# Altium PCB eink3.pcbdoc
Units mil, origin at the board's own origin, x right, y up, seen from the top; angles counter-clockwise.
Board outline 3229.28 x 1206.88 mil, 2 copper layers (Top Layer, Bottom Layer); 83 components, 53 nets, 325 pads, 287 vias.
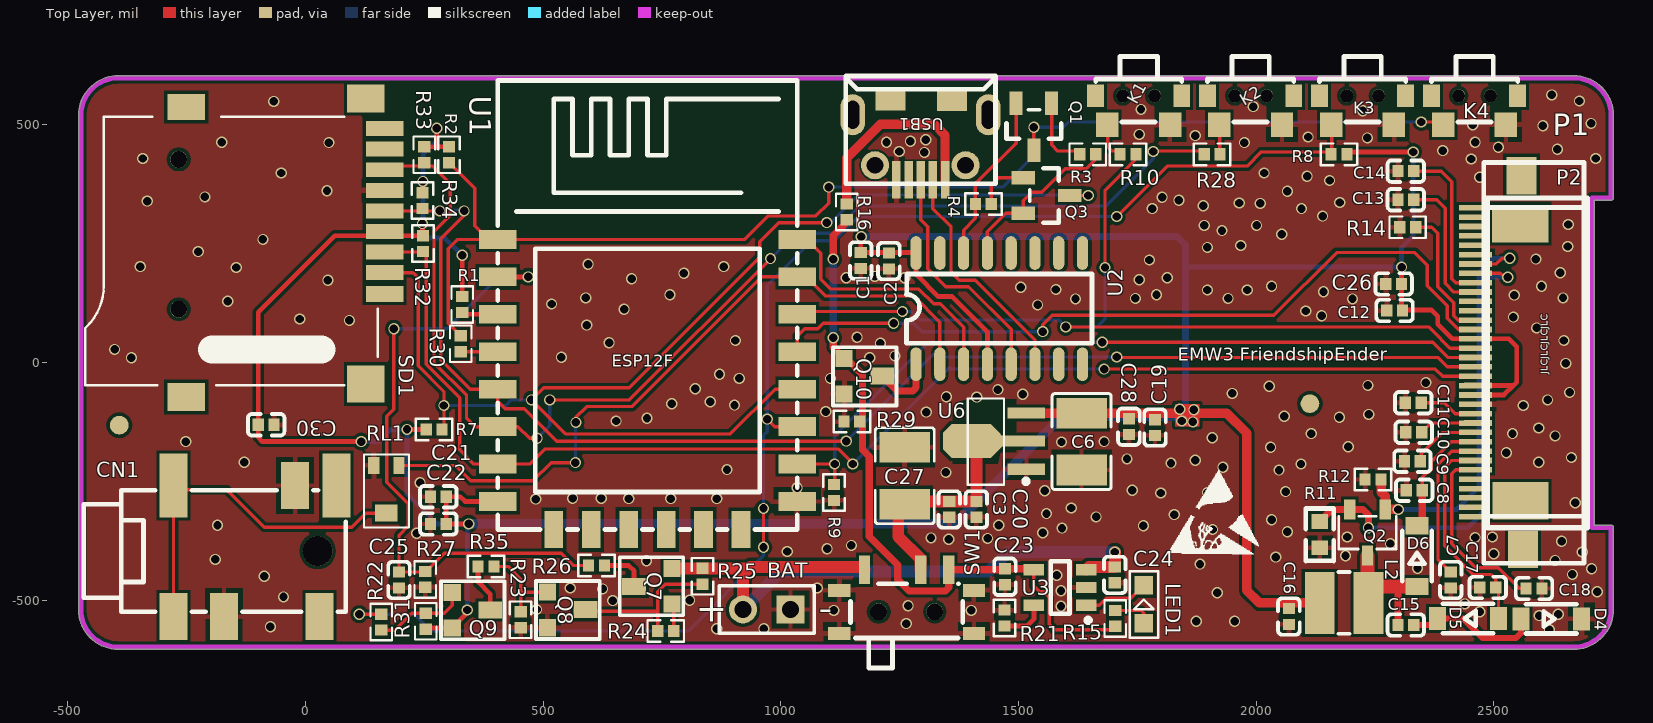
[diagram p0: Top Layer view]
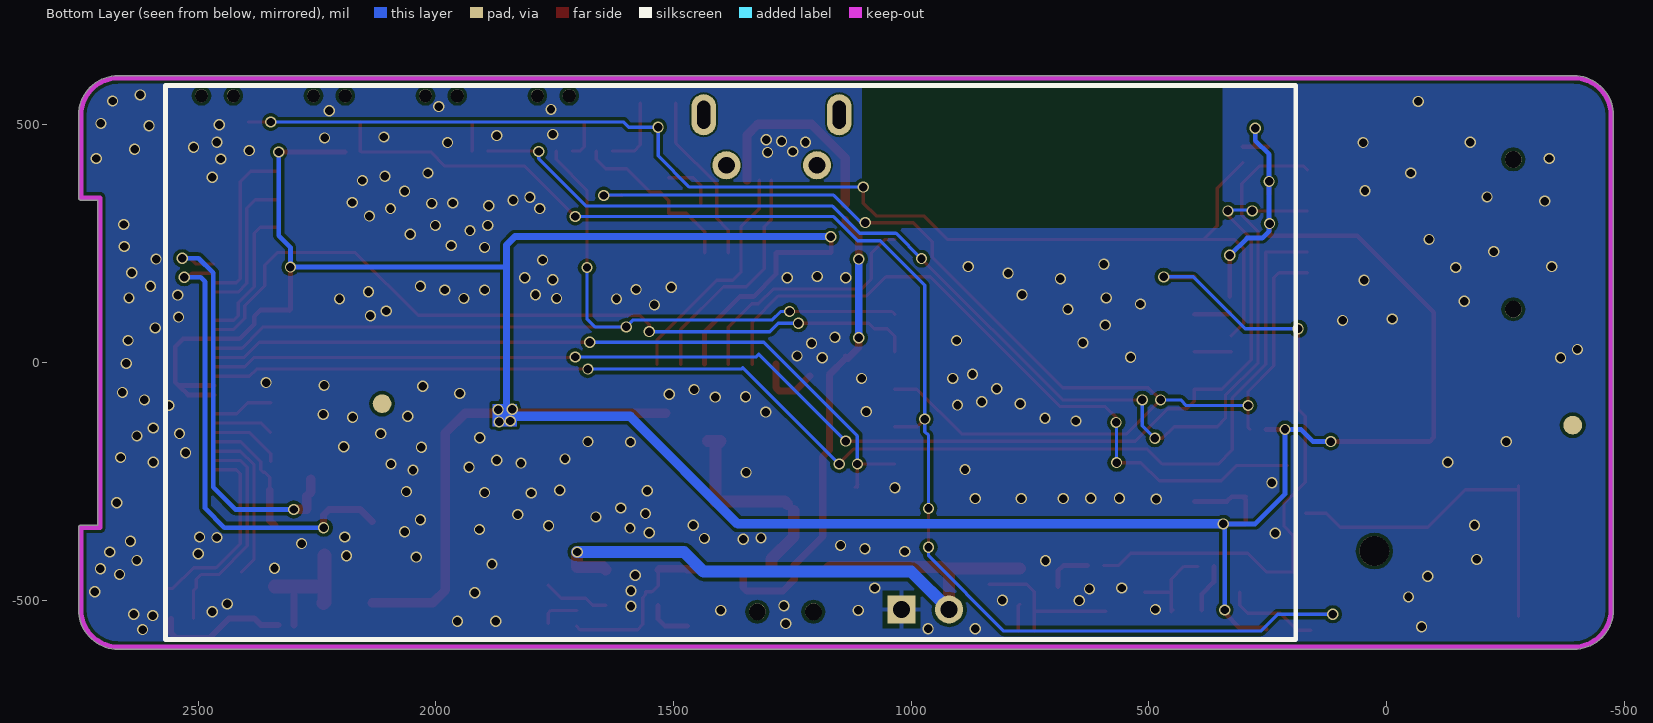
[diagram p1: Bottom Layer view, seen from below]

## Layer stack, top to bottom
Top Solder: solder mask 0.4, Solder Resist, Dk 3.5
Top Layer: signal copper 1.4
Dielectric1: dielectric 12.6, FR-4, Dk 4.8
Bottom Layer: signal copper 1.4
Bottom Solder: solder mask 0.4, Solder Resist, Dk 3.5

## Board outline
-393.7,-603.44 cw(c-393.7,-519.69) -477.09,-527.46 cw(c-472.44,-525.59) -477.46,-525.59 -477.46,519.69 cw(c-393.7,519.69) -393.7,603.44 2668.07,603.44 cw(c2668.07,519.69) 2751.46,527.46 cw(c2746.81,525.59) 2751.82,525.59 2751.82,346.7 cw(c2746.81,346.7) 2747.49,341.73 cw(c2746.17,346.56) 2746.17,341.55 2711.71,341.55 2711.71,-342.27 2746.81,-342.27 cw(c2746.81,-347.28) 2751.82,-347.28 2751.82,-519.73 cw(c2668.12,-519.73) 2668.12,-603.44

## Design rules (kind name [scope] priority, off if disabled: settings)
Clearance Clearance_1 [All vs InComponent('USB1')] p1: gap=3.94 ignorepadtopadclearanceinfootprint=FALSE except(0: Arc-Hole Track-Hole SMDPad-Hole THPad-Hole Via-Hole Fill-Hole Poly-Hole Region-Hole Text-Hole)
Clearance [All] p2: gap=7 ignorepadtopadclearanceinfootprint=FALSE except(0: Arc-Hole Track-Hole SMDPad-Hole THPad-Hole Via-Hole Fill-Hole Poly-Hole Region-Hole Text-Hole)
ComponentClearance [All] p1: gap=0 collisioncheckmode=3 verticalgap=0 showdistances=FALSE
MinimumSolderMaskSliver [All] p1: minsoldermaskwidth=1.97
PolygonConnect PolygonConnect_1 [All vs IsVia] p1: connectstyle=Direct reliefconductorwidth=10 reliefentries=4 polygonreliefangle="90 Angle" airgapwidth=10
PolygonConnect [All] p2: connectstyle=Relief reliefconductorwidth=10 reliefentries=4 polygonreliefangle="90 Angle" airgapwidth=10
RoutingVias [All] p1: holewidth=28 width=50 viastyle="Through Hole" minholewidth=28 minwidth=50 maxholewidth=28 maxwidth=50
SilkToSilkClearance [All] p1: silktosilkclearance=0
SilkToSolderMaskClearance [IsPad] p1: minsilkscreentomaskgap=0 clearancetoexposedcopper=TRUE
SolderMaskExpansion [All] p1: expansion=4
Width [All] p1: maxlimit=196.85 minlimit=7 preferedwidth=10 minimp=50.000000 maximp=50.000000 favimp=50.000000
26 further rules are at their usual default settings.

## Components (designator, comment, footprint, x,y, rotation, side; value= is the part's Value field where it differs from the comment)
BAT "Header 2" HDR1X2 1020.28,-519.69 r180 top
C1 "100nF" LC-0402_C 1168.31,214.57 r90 top
C2 "10uF" LC-0402_C 1227.36,213.58 r90 top
C3 "47uF" LC-0402_C 1354.33,-309.06 r90 top
C6 "47uF 6.3V" C1210 1632.87,-166.34 r90 top
C7 "1u" LC-0402_C 2409.45,-457.68 r270 top
C8 "1u" LC-0402_C 2332.68,-268.7 r180 top
C9 "1u" LC-0402_C 2328.74,-207.68 r180 top
C10 "1u" LC-0402_C 2331.69,-146.65 r180 top
C11 "1u" LC-0402_C 2330.71,-84.65 r180 top
C12 "100nF" LC-0402_C 2291.34,109.25 r180 top
C13 "1u" LC-0402_C 2314.96,342.52 r180 top
C14 "1u" LC-0402_C 2314.96,402.56 r180 top
C15 "100nF" LC-0402_C 2314.96,-552.17 r180 top
C16 "4.7uF" LC-0402_C 2068.9,-534.45 r270 top
C17 "1u" LC-0402_C 2487.2,-473.43 r180 top
C18 "1u" LC-0402_C 2584.65,-475.39 r0 top
C19 "47uF" LC-0402_C 1787.4,-137.01 r90 top
C20 "47uF" LC-0402_C 1411.42,-309.06 r90 top
C21 "47uF" LC-0402_C 279.53,-282.48 r0 top
C22 "100nF" LC-0402_C 279.53,-339.57 r0 top
C23 "1uF" LC-0402_C 1471.46,-450.79 r270 top
C24 "10uF" LC-0402_C 1702.76,-446.85 r270 top
C25 "1n" LC-0402_C 196.85,-457.68 r90 top
C26 "100nF" LC-0402_C 2289.37,165.35 r180 top
C27 "47uF" C1210 1260.83,-238.19 r270 top
C28 "47uF" LC-0402_C 1732.28,-135.04 r90 top
C30 "100nF" LC-0402_C -82.68,-130.91 r0 top
CN1 "PJ-320D_C521460" AUDIO-SMD_PJ-316A-6A -106.3,-396.65 r90 top
D4 "MBR0530" SOD-123 2621.06,-539.37 r180 top
D5 "MBR0530" SOD-123 2445.84,-538.39 r0 top
D6 "MBR0530" SOD-123 2338.58,-407.48 r270 top
K1 "TS24CA" SW-SMD_TS24CA 1752.95,530.51 r90 top
K2 "TS24CA" SW-SMD_TS24CA 1988.52,530.51 r90 top
K3 "TS24CA" SW-SMD_TS24CA 2224.08,530.51 r90 top
K4 "TS24CA" SW-SMD_TS24CA 2459.65,530.51 r90 top
L2 "68uH" IND-SMD_L3.5-W3.0 2185.04,-505.91 r0 top
LED1 "LED" 0603-LED 1763.78,-508.86 r90 top
P1 "FFC/FPCConnector0.5MM34PClamshell" FPC-SMD_34P-L21.5-W5.5-P0.50 2508.86,0 r90 top
P2 "FPC-0.5MM-LSSJ-H2.0-24P" FPC-0.5MM-LSSJ-H2.0-24P 2566.93,-72.15 r90 top
Q1 "8050SG-D-AE3-R" SOT-23-3_L2.9-W1.3-P1.90-LS2.4-TR 1532.48,496.08 r90 top
Q2 "MOSFET-N+SI1304BDL" SOT-23-3_L2.9-W1.6-P1.90-LS2.8-BR 2234.25,-357.87 r90 top
Q3 "8050SG-D-AE3-R" SOT-23-3_L2.9-W1.3-P1.90-LS2.4-TR 1559.04,351.38 r180 top
Q7 "9012" SOT-23-TRAN 736.22,-471.46 r90 top
Q8 "9013" SOT-23-TRAN 543.86,-520.07 r270 top
Q9 "9012" SOT-23-TRAN 343.78,-520.67 r270 top
Q10 "RTR025N03TL" SOT-23-MOS 1168.31,-28.54 r270 top
R1 "10K" LC-0402_R 329.72,122.05 r270 top
R2 "10K" LC-0402_R 302.17,437.01 r270 top
R3 "10K" LC-0402_R 1645.67,437.99 r180 top
R4 "10K" LC-0402_R 1426.18,333.66 r0 top
R7 "10K" LC-0402_R 270.67,-140.75 r0 top
R8 "10K" LC-0402_R 2174.21,437.99 r180 top
R9 "10K" LC-0402_R 1112.2,-273.62 r90 top
R10 "10K" LC-0402_R 1730.32,437.99 r180 top
R11 "0.47R" R0603 2133.86,-362.2 r270 top
R12 "10k" LC-0402_R 2246.06,-246.06 r0 top
R14 "0R" LC-0402_R 2318.9,284.45 r180 top
R15 "5K" LC-0402_R 1703.74,-538.39 r270 top
R16 "0R" LC-0402_R 1138.78,316.93 r90 top
R21 "4.7K" LC-0402_R 1470.47,-537.4 r270 top
R22 "10k" LC-0402_R 159.45,-546.26 r270 top
R23 "100k" LC-0402_R 452.76,-541.34 r270 top
R24 "10k" LC-0402_R 757.87,-564.96 r180 top
R25 "200k" LC-0402_R 835.63,-449.8 r90 top
R26 "33k,1%" LC-0402_R 612.2,-427.17 r180 top
R27 "10k,1%" LC-0402_R 251.97,-456.24 r270 top
R28 "1K" LC-0402_R 1907.48,437.99 r0 top
R29 "100K" LC-0402_R 1149.61,-124.02 r0 top
R30 "330R" LC-0402_R 326.77,39.37 r90 top
R31 "100k" LC-0402_R 252.95,-544.29 r90 top
R32 "10k" LC-0402_R 247.05,250 r270 top
R33 "10k" LC-0402_R 250,437.01 r270 top
R34 "10k" LC-0402_R 246.06,340.55 r270 top
R35 "4.7k,1%" LC-0402_R 379.92,-429.13 r0 top
RL1 "10K" "2X2 -p3" 170.28,-316.93 r180 top
SD1 "TF" TF_SD 166.34,143.7 r90 top locked
SW1 "MSK12C02" SW-TH_MSK12C02 1264.76,-502.95 r0 top
U1 "ESP-12F(ESP8266MOD)" WIFIM-SMD_ESP-12F-ESP8266MOD 719.47,-46.28 r270 top locked
U2 "CH340C" SOP-16_L10.0-W3.9-P1.27-LS6.0-BL 1459.65,113.31 r0 top
U3 "TP4054" LC-SOT-23-5 1587.6,-473.43 r0 top
U6 "HT7333A" SOT-89 1516.73,-165.35 r90 top
USB1 "Micro USB" MICRO-USB-1 1293.98,471.62 r90 top locked

## Footprints (in the part's own frame and the unit in brackets; to place one, negate y for a bottom-side part, rotate by r counter-clockwise, add the part's x,y. Pads: shape width x height; smd on the part's side, far side on the other; paste and mask are expansions set on the pad)
"2X2 -p3" [mm]
  rect 0.6x0.9 smd: 1(-0.675,-2.55) 3(0.675,-2.55)
  rect 1.2x0.9 smd: 2(0,0)
  silkscreen extent -1.2,-3.13 1.2,0.77
0603-LED [mm]
  rect 1x1 smd: A(-1.016,0) K(1.016,0)
  silkscreen extent -1.78,-0.76 1.78,0.76
AUDIO-SMD_PJ-316A-6A [mm]
  rect 2.5x1.5 smd: 1(-3.5,4.35) 2(3.5,-2.15) 3(-3.5,1.65) 6(-3.5,-3.45)
  rect 3.4x1.5 smd: 4(3.5,4.35) 5(3.5,-4.35)
  round 1.6 hole 1.6 unplated: ""(0,-3.35)
  silkscreen extent -3.25,-4.85 3.25,9.15
C1210 [mm]
  rect 1.635x2.7 smd: 1(-1.517,0) 2(1.517,0)
  silkscreen extent -2.56,-1.58 2.56,1.58
FPC-0.5MM-LSSJ-H2.0-24P [mm]
  rect 0.3x1.5 smd: 1(7.597,2.541) 2(7.097,2.541) 3(6.597,2.541) 4(6.097,2.541) 5(5.597,2.541) 6(5.097,2.541) 7(4.597,2.541) 8(4.097,2.541) 9(3.597,2.541) 10(3.097,2.541) 11(2.597,2.541) 12(2.097,2.541) 13(1.597,2.541) 14(1.097,2.541) 15(0.601,2.543) 16(0.098,2.542) 17(-0.402,2.541) 18(-0.902,2.541) 19(-1.402,2.541) 20(-1.904,2.544) 21(-2.404,2.544) 22(-2.904,2.544) 23(-3.404,2.544) 24(-3.904,2.544)
  rect 2x3 smd: 25(-5.549,0.281) 26(9.253,0.287)
  silkscreen extent -7.02,-3.31 10.62,2.04
FPC-SMD_34P-L21.5-W5.5-P0.50 [mm]
  rect 0.3x1.5 smd: 1(8.264,1.34) 2(7.764,1.34) 3(7.265,1.34) 4(6.764,1.34) 5(6.265,1.34) 6(5.764,1.34) 7(5.265,1.34) 8(4.764,1.34) 9(4.265,1.34) 10(3.764,1.34) 11(3.265,1.34) 12(2.764,1.34) 13(2.265,1.34) 14(1.764,1.34) 15(1.268,1.341) 16(0.765,1.34) 17(0.265,1.339) 18(-0.235,1.34) 19(-0.735,1.34) 20(-1.237,1.343) 21(-1.737,1.343) 22(-2.237,1.343) 23(-2.737,1.343) 24(-3.237,1.343) 25(-3.737,1.343) 26(-4.238,1.343) 27(-4.738,1.344) 28(-5.237,1.343) 29(-5.737,1.343) 30(-6.238,1.343) 31(-6.737,1.343) 32(-7.237,1.342) 33(-7.737,1.343) 34(-8.237,1.343)
  rect 2x1.6 smd: 35(9.981,-1.249) 36(-9.981,-1.344)
  silkscreen extent -10.73,-4.6 10.69,0.76
HDR1X2 [mm] "Connector; Header; 2 Position"
  rect 1.5x1.5 hole 0.9: 1(0,0)
  round 1.5 hole 0.9: 2(2.54,0)
  silkscreen extent -1.27,-1.27 3.81,1.27
IND-SMD_L3.5-W3.0 [mm]
  rect 1.6x3.3 smd: 1(-1.3,0) 2(1.3,0)
  silkscreen extent -0.3,-1.65 0.3,1.65
LC-0402_C [mm]
  rect 0.6x0.65 smd mask+0.051: 1(-0.425,0) 2(0.425,0)
  silkscreen extent -0.97,-0.58 0.97,0.58, body extent -0.48,-0.3 0.52,0.3, height 0.2
LC-0402_R [mm]
  rect 0.6x0.65 smd mask+0.051: 1(-0.425,0) 2(0.425,0)
  silkscreen extent -0.97,-0.58 0.97,0.58, body extent -0.57,-0.27 0.58,0.28, height 0.41
LC-SOT-23-5 [mm]
  rect 1.1x0.6 smd: 1(1.4,-0.95) 2(1.4,0) 3(1.4,0.95) 4(-1.4,0.95) 5(-1.4,-0.95)
  silkscreen extent -0.5,-1.87 1.63,1.4
MICRO-USB-1 [mm]
  round 1.5 hole 0.9: 0(-1.44,2.431) 0(-1.44,-2.41)
  oval 2.2x1.3 hole 0.7 slot 1.5 at 0 deg: 0(1.26,3.619) 0(1.26,-3.619)
  rect 1.2x1.6 smd: 0(2.071,-1.683) 0(2.087,1.596)
  rect 2x0.45 smd: 1(-2.225,-1.31) 2(-2.225,-0.66) 3(-2.225,-0.01) 4(-2.225,0.64) 5(-2.225,1.29)
  silkscreen extent -2.43,-4 3.33,4
R0603 [mm]
  rect 0.8x0.9 smd: 1(-0.7,0) 2(0.7,0)
  silkscreen extent -1.4,-0.75 1.4,0.76
SOD-123 [mil]
  rect 35.8x48 smd: 1(64,0) 2(-64,0)
  silkscreen extent -53,-31 53,31
SOP-16_L10.0-W3.9-P1.27-LS6.0-BL [mm]
  oval 0.6x1.8 smd: 1(-4.445,-2.972) 2(-3.175,-2.972) 3(-1.905,-2.972) 4(-0.635,-2.972) 5(0.635,-2.972) 6(1.905,-2.972) 7(3.175,-2.972) 8(4.445,-2.972) 9(4.445,2.972) 10(3.175,2.972) 11(1.905,2.972) 12(0.635,2.972) 13(-0.635,2.972) 14(-1.905,2.972) 15(-3.175,2.972) 16(-4.445,2.972)
  silkscreen extent -4.95,-1.85 4.95,1.85
SOT-23-3_L2.9-W1.3-P1.90-LS2.4-TR [mm]
  rect 1.25x0.7 smd: 1(1.25,0.95) 2(1.25,-0.95) 3(-1.25,0)
  silkscreen extent -0.65,-1.46 0.9,1.46
SOT-23-3_L2.9-W1.6-P1.90-LS2.8-BR [mm]
  rect 1.07x0.6 smd: 1(1.235,-0.95) 2(1.235,0.95) 3(-1.235,0)
  silkscreen extent -0.88,-1.54 0.88,1.54
SOT-23-MOS [mil]
  rect 36x50 smd: D(0,45)
  rect 36x36 smd: G(-37,-35) S(38,-35)
  silkscreen extent -60,-59 62,75, body extent -44,-35 44,45, height 39
SOT-23-TRAN [mil]
  rect 36x36 smd: B(-37,-35) E(38,-35)
  rect 36x50 smd: C(0,45)
  silkscreen extent -60,-59 62,75, body extent -44,-35 44,45, height 39
SOT-89 [mm]
  rect 0.6x2 smd: 1(-1.5,0) 2(0,1.225) 2(0,0) 3(1.5,0)
  oct 1.8x3 smd: 2(0,2.95)
  oct 1x2 smd: 2(0,2.25)
  silkscreen extent -2.33,-0.07 2.27,3.13
SW-SMD_TS24CA [mm]
  rect 1.2x0.9 smd: 1(0.775,2.3) 2(0.775,-2.3)
  rect 1.3x1.2 smd: 3(-0.775,1.675) 4(-0.775,-1.675)
  round 0.7 hole 0.7 unplated: ""(0.775,0.85) ""(0.775,-0.85)
  silkscreen extent -0.62,-2.3 2.88,2.3
SW-TH_MSK12C02 [mm]
  rect 0.6x1.524 smd: 1(-2.25,1.7) 2(0.75,1.7) 3(2.25,1.7)
  rect 1.2x0.7 smd: 4(-3.6,-1.7) 4(-3.6,0.6) 4(3.6,-1.7) 4(3.6,0.6)
  round 0.9 hole 0.9 unplated: ""(-1.5,-0.55) ""(1.5,-0.55)
  silkscreen extent -3,-3.55 3,0.95
TF_SD [mm]
  round 0.9 hole 0.9 unplated: 0(-0.8,11) 0(7.2,11)
  rect 0.85x2 smd: 1(0,0)
  rect 0.8x2 smd: 2(1.15,0) 3(2.25,0) 4(3.35,0) 5(4.45,0) 6(5.55,0) 7(6.65,0) 8(7.75,0) 9(8.85,0)
  rect 1.5x2 smd: 10(-5.5,10.6) 10(10.45,1)
  rect 2x2 smd: 10(-4.8,1)
  rect 1.4x2 smd: 10(10,10.6)
  silkscreen extent -4.87,0.36 9.49,16
WIFIM-SMD_ESP-12F-ESP8266MOD [mm]
  rect 1x2 smd: 1(-7.751,-8.002) 2(-5.751,-8.002) 3(-3.751,-8.002) 4(-1.751,-8.002) 5(0.249,-8.002) 6(2.249,-8.002) 7(4.249,-8.002) 8(6.249,-8.001) 9(6.249,7.999) 10(4.249,8) 11(2.249,8.002) 12(0.249,8.001) 13(-1.751,8) 14(-3.751,8.001) 15(-5.751,8) 16(-7.751,8.001)
  rect 2x1 smd: 17(7.75,-5) 18(7.749,-3.002) 19(7.749,-1.003) 20(7.749,0.998) 21(7.749,2.997) 22(7.75,4.997)
  silkscreen extent -16.25,-8 7.75,8

## Part data
BAT: "Header, 2-Pin"
C3 C6 C19 C20 C21 C22 C27 C28: library part 10uF
C12 C15: library part 0.1u
C23 C24: library part Cap, "1uF/16V/X7R/0603"
C25: library part CAP, "无极性电容"
LED1: "LED/红色/0603"
Q7 Q9: library part PNP-S, "PNP Transistor"
Q8: library part NPN-S, "NPN Transistor"
Q10: library part MOS-N, "N-channel  MOSFET"
R14 R16: library part 10k
R15 R22 R23 R24 R25 R26 R27 R31 R32 R33 R34 R35: library part RES
R21: library part Res2, "4.7K/1% /0402"
R28 R29 R30: library part 10K
RL1: library part 47K
SD1: library part MiniSD
U3: library part Component_1
U6: library part VOLTRER1

## Free pads (board coordinates)
  round 39.37 all layers, no hole: 3(-391.73,-131.89) 3(2113.19,-86.61)

## Via types
v1: diameter 23.62, hole 17.72, Top Layer to Bottom Layer, tented both sides, 287 vias

## Nets (pads, with @x,y where several pads share a name; then routed paths per layer and width w, separated by ;. In a path a pad name is that pad's centre, name@x,y a point inside that pad or via, vN(x,y) a via of type N, cw(c..) or ccw(c..) an arc to the next point about the centre after c; other vN are vias at no path point)
+5V: C23.1 Q10.G R15.2 R16.1 R29.2 SW1.3 U3.4 | length 1455.8
  Top Layer w7: U3.4 1532.48,-469.49 1545.28,-482.28 1559.06,-482.28 1559.06,-489.09 1564.63,-494.67 1564.63,-550.85 1575.79,-562.01 1696.85,-562.01 R15.2
  Top Layer w10: Q10.G Q10.G@1138.78,13.93
  Top Layer w15: v1(1110.24,52.17) 1110.24,31.53 Q10.G 1138.2,8.46 1172.24,-25.59 1172.24,-184.06 1186.02,-197.83 1186.02,-366.14 1246.06,-426.18 1246.06,-456.69 1269.89,-480.52 1346.25,-480.52 1353.34,-473.43 SW1.3 C23.1@1471.46,-436.02 ; v1(1110.24,217.52) 1110.24,266.92 1138.78,295.47 R16.1 ; C23.1 1530.51,-434.06 U3.4
  Bottom Layer w15: v1(1110.24,52.17) v1(1110.24,217.52)
ADC: C25.2 R26.2 R27.1 U1.2 | length 1361.6
  Top Layer w7: v1(186.02,70.87) 186.02,-98.43 171.26,-113.19 171.26,-251.97 215.55,-296.26 215.55,-344.49 196.85,-363.19 C25.2 251.97,-440.94 291.63,-401.29 538.1,-401.29 563.98,-427.17 R26.2
  Top Layer w10: U1.2 v1(468.5,180.12)
  Bottom Layer w7: v1(186.02,70.87) 297.24,70.87 406.5,180.12 v1(468.5,180.12)
BUSY: P1.14 P2.9 U1.13 | length 1669.3
  Top Layer w7: U1.13 1034.43,55.1 1050.52,71.19 1078.18,71.19 1089.66,82.68 v1(1237.2,82.68) ; v1(1551.18,64.96) 1551.18,79.72 1570.87,99.41 2037.4,99.41 2169.29,231.3 2333.66,231.3 2360.24,204.72 2360.24,161.42 2402.09,119.56 2402.09,92.78 2425.4,69.48 P2.9
  Bottom Layer w7: v1(1237.2,82.68) 1279.53,82.68 1297.24,64.96 v1(1551.18,64.96)
CH-PD: R1.2 U1.3 | length 76.4
  Top Layer w9.84: R1.2 333.66,101.38 U1.3
CHEAK_POWER: K3.3 R8.2 R22.1 U1.11 | length 2984.6
  Top Layer w7: v1(113.19,-529.53) R22.1 ; v1(963.58,-388.78) v1(963.58,-307.09) ; v1(971.46,-119.09) 987.21,-134.84 U1.11 ; v1(1706.69,307.09) 1812.99,413.39 1981.3,413.39 2010.83,442.91 2157.48,442.91 2159.12,444.55 K3.3@2159.12,505.91
  Bottom Layer w7: v1(113.19,-529.53) 229.33,-529.53 264.76,-564.96 805.12,-564.96 963.58,-406.5 v1(963.58,-388.78) ; v1(963.58,-307.09) 963.58,-153.54 971.46,-145.67 v1(971.46,-119.09) 971.46,162.4 1064.96,255.91 1112.2,255.91 1163.39,307.09 v1(1706.69,307.09)
CLK: P1.18 P2.13 R34.2 SD1.5 U1.5 | length 2857.5
  Top Layer w7: SD1.5 v1(282.48,318.9) ; v1(333.66,318.9) 333.66,310.04 284.34,260.72 284.34,6.01 346.46,-56.1 U1.5 404.45,-81.61 420.28,-97.44 460.63,-97.44 528.54,-165.35 989.68,-165.35 990.36,-166.03 1078.62,-166.03 1079.3,-165.35 v1(1137.8,-165.35) ; v1(1706.69,11.48) 1707.56,10.61 2382.1,10.61 2401.98,-9.27 P2.13
  Bottom Layer w7: v1(282.48,318.9) 284.45,320.87 v1@333.66,320.87 ; v1(1137.8,-165.35) 1320.87,17.72 1327.1,11.48 v1(1706.69,11.48)
CS: P1.17 P2.12 R9.2 U1.10 | length 1644.4
  Top Layer w7: U1.10 v1(1113.19,-213.58) R9.2@1113.19,-257.87 ; R9.2 R9.2@1113.19,-257.87 ; R9.2@1113.19,-263.12 R9.2@1113.19,-257.87 ; R9.2@1118.11,-262.8 R9.2@1113.19,-257.87 ; v1(1676.18,42.65) 2371.72,42.65 2403.96,10.41 P2.12
  Bottom Layer w7: v1(1113.19,-213.58) 1113.19,-154.53 1310.37,42.65 v1(1676.18,42.65)
CS_SD: Q3.3 R7.2 SD1.2 U1.12 | length 2644.1
  Top Layer w7: SD1.2 226.38,188.98 237.2,178.15 237.2,-6.89 291.34,-61.02 v1(291.34,-90.55) 291.34,-136.81 R7.2 ; U1.12 988.19,-56.1 893.94,-150.35 547.01,-150.35 v1(475.39,-78.74) 500.98,-53.15 681.1,-53.15 956.04,221.78 956.04,254.34 995.99,294.29 v1(1096.46,294.29) ; Q3.3@1609.23,352.36 Q3.3 v1(1646.65,351.38)
  Bottom Layer w7: v1(291.34,-90.55) 421.26,-90.55 433.07,-78.74 v1(475.39,-78.74) ; v1(1096.46,294.29) 1105.31,294.29 1163.39,352.36 1645.67,352.36 v1(1646.65,351.38)
D+: U2.5 USB1.3 | length 494.8
  Top Layer w7: USB1.3 1294.39,300.1 1309.06,285.43 1309.06,196.85 1346.68,159.23 1394.91,159.23 1484.65,69.49 U2.5
D-: U2.6 USB1.2 | length 496.8
  Top Layer w7: USB1.2 1319.98,323.72 1358.27,285.43 1358.27,189.96 1375,173.23 1409.45,173.23 1534.65,48.03 U2.6
DC: P1.16 P2.11 R10.1 U1.14 | length 1936.7
  Top Layer w7: U1.14 1040.36,107.28 v1(1255.91,107.28) ; v1(1599.41,74.8) 2363.19,74.8 2370.08,67.91 2407.89,30.1 P2.11 ; v1(1682.09,199.8) 1682.09,362.2 1747.05,427.17 R10.1@1747.05,444.88
  Bottom Layer w7: v1(1255.91,107.28) 1274.72,107.28 1292.44,89.57 1584.65,89.57 v1(1599.41,74.8) 1665.35,74.8 1682.09,91.54 v1(1682.09,199.8)
DTR: Q3.1 R3.1 U2.13 | length 368.9
  Top Layer w7: U2.13 1434.65,275.2 1473.43,313.98 Q3.1 1509.84,340.55 1527.56,358.27 1549.21,358.27 1598.43,407.48 1642.72,407.48 1662.4,427.17 R3.1@1662.4,444.88
EPD_3V3: C1.2 C2.2 C6.2 C12.1 C16.1 C19.2 C21.2 C22.2 C26.1 C28.2 C30.1 L2.1 P1.15 P1.20 P1.21 P2.10 P2.15 P2.16 Q9.E R1.1 R2.1 R7.1 R8.1 R31.1 R32.1 R33.1 R34.1 SD1.4 U1.8 U2.4 U2.16 U6.3 | length 7962.2
  Top Layer w10: v1(117.13,-166.34) -90.55,-166.34 -99.41,-157.48 C30.1 -99.41,105.31 62.01,266.73 R32.1 246.07,267.7 v1(246.07,292.34) ; v1(213.58,-140.75) R7.1 ; R34.1@247.05,353.35 v1(247.05,380.91) ; R33.1 276.08,453.74 ; R31.1 255.31,-558.67 Q9.E 340.55,-526.9 v1(340.55,-520.67) ; v1(276.08,492.62) 276.08,453.74 ; C21.2 C21.2@302.17,-282.48 ; R2.1 276.08,453.74 ; R1.1 v1(329.72,225.39) ; v1(343.5,-339.57) C22.2 296.26,-288.39 C21.2@302.17,-282.48 ; U1.8 335.63,-292.32 325.79,-282.48 C21.2@302.17,-282.48 ; v1(1169.29,264.76) 1168.31,263.78 C1.2 1283.66,231.3 U2.16 1284.65,185.83 1331.69,138.78 1360.24,138.78 1434.65,64.37 U2.4 ; R8.1@2190.94,442.91 v1(2330.71,442.91) ; v1(2306.1,200.79) C26.1 2306.1,111.22 C12.1 ; C12.1@2308.07,110.24 2369.09,110.24 2381.89,97.44 2381.89,80.71 2412.81,49.78 P2.10 2531.91,49.78 2548.23,33.46 2548.23,-41.34 2541.08,-48.48 ; P2.15 2541.08,-48.48 ; P2.16 2521.27,-68.3 2541.08,-48.48
  Top Layer w20: U6.3 1937.99,-106.3 1980.31,-148.62 1980.31,-479.33 2006.89,-505.91 L2.1
  Bottom Layer w10: v1(117.13,-166.34) 154.53,-166.34 180.12,-140.75 v1(213.58,-140.75) 213.58,-276.57 276.57,-339.57 v1(343.5,-339.57) 340.55,-342.52 v1(340.55,-520.67) ; v1(276.08,492.62) 276.08,467.03 247.05,437.99 v1(247.05,380.91) 247.05,276.57 261.81,261.81 293.31,261.81 v1(329.72,225.39) ; 1851.38,199.8 1852.36,200.79 v1(2306.1,200.79) 2306.1,242.13 2330.71,266.73 v1(2330.71,442.91)
  Bottom Layer w15: v1(1169.29,264.76) 1833.66,264.76 1851.38,247.05 1851.38,199.8 1851.38,-113.19
  Bottom Layer w20: v1(343.5,-339.57) 1365.16,-339.57 1591.54,-113.19 1851.38,-113.19
  other v1: 1867.13,-125 1843.5,-123.03 1869.09,-99.41 1839.57,-98.43
GDR: P1.7 P2.2 Q2.1 R12.2 | length 883.7
  Top Layer w7: P2.2 2505.49,207.27 2517.72,219.49 v1(2533.46,219.49)
  Top Layer w20: R12.2 2262.8,-272.64 2271.65,-281.5 Q2.1 v1(2299.02,-309.25)
  Bottom Layer w10: v1(2299.02,-309.25) 2422.05,-309.25 2468.65,-262.65 2468.65,188.71 2499.43,219.49 v1(2533.46,219.49)
GND: BAT.1 C1.1 C2.1 C3.1 C6.1 C7.2 C8.2 C9.2 C10.2 C11.2 C12.2 C13.2 C14.2 C16.2 C17.2 C18.2 C19.1 C20.1 C21.1 C22.1 C23.2 C24.2 C25.1 C26.2 C27.1 C28.1 C30.2 CN1.2 CN1.3 D4.2 K1.4 K2.4 K3.4 K4.4 P1.22 P2.17 Q8.E Q10.S R9.1 R11.2 R12.1 R14.2 R21.1 R23.2 R27.2 R29.1 RL1.3 SD1.6 SW1.4 U1.9 U3.2 U6.1 USB1.5
  other v1: 2617.13,-562.01 865.16,-560.04 964.57,-560.04 -73.82,-556.1 1263.78,-549.21 1874.02,-544.29 1954.72,-544.29 2595.47,-532.48 2635.83,-529.53 2470.47,-524.61 1111.22,-521.65 1400.59,-521.65 486.22,-519.69 1589.57,-512.8 1267.72,-511.81 2438.98,-507.87 646.65,-500.98 808.07,-500 -46.26,-493.11 1918.31,-484.25 2717.52,-482.28 1589.57,-480.31 625,-476.38 557.09,-474.41 1076.77,-474.41 -86.61,-449.8 1580.71,-447.83 2665.35,-445.87 2705.71,-434.06 2339.57,-433.07 1881.89,-424.21 717.52,-417.32 2628.94,-416.34 -189.96,-414.37 2041.34,-409.45 2187.99,-406.5 2500,-402.56 2686.02,-398.62 1013.78,-397.64 1097.44,-391.73 1148.62,-384.84 2282.48,-380.91 2642.72,-375.98 1353.35,-372.05 1435.04,-370.08 1315.94,-369.09 2460.63,-368.11 2191.93,-367.13 2497.05,-367.13 234.25,-359.25 1551.18,-358.27 2065.94,-356.3 1908.46,-351.38 1591.54,-348.43 1762.8,-343.5 -185.04,-342.52 1458.66,-342.52 2032.48,-330.71 1663.39,-324.8 1827.76,-319.88 1559.06,-317.91 1611.22,-306.1 2671.26,-295.28 484.25,-287.4 680.12,-286.42 768.7,-286.42 865.16,-286.42 562.01,-285.43 622.05,-285.43 1799.21,-274.61 1897.64,-273.62 2062.01,-271.65 1555.12,-269.69 1739.17,-268.7 1034.37,-263.53 241.14,-252.95 1347.44,-231.3 2048.23,-226.38 886.81,-225.39 1930.12,-220.47 2094.49,-213.58 1820.87,-211.61 -128.94,-209.65 2594.49,-209.65 1872.05,-205.71 1728.35,-202.76 2663.39,-199.8 2526.57,-189.96 2030.51,-178.15 2193.9,-177.17 1590.55,-167.32 -251.97,-166.34 1680.12,-166.34 1907.48,-158.46 2628.94,-154.53 2116.14,-149.61 2539.37,-149.61 2594.49,-137.8 653.54,-123.03 718.5,-117.13 2175.2,-115.16 2059.06,-113.19 2237.2,-109.25 1306.1,-104.33 1094.49,-103.35 2562.01,-90.55 902.56,-89.57 770.67,-86.61 851.38,-82.68 2613.19,-78.74 1412.4,-72.83 1348.43,-71.85 1508.86,-66.93 1949.8,-64.96 2659.45,-62.99 1456.69,-57.09 819.88,-55.12 2027.56,-50.2 2235.24,-48.23 2357.28,-42.32 912.4,-33.46 1104.33,-33.46 871.06,-24.61 2651.57,-1.97 -366.14,9.84 1187.01,9.84 538.39,10.83 1240.16,13.78 -401.57,27.56 1209.65,40.35 638.78,41.34 904.53,46.26 2647.64,46.26 1160.43,53.15 2590.55,72.83 591.54,78.74 92.52,88.58 -11.81,91.54 2541.34,95.47 2137.8,98.43 2104.33,108.27 670.28,112.2 1540.35,121.06 517.72,123.03 -163.39,128.94 1620.08,133.86 2202.76,133.86 1746.06,134.84 1940.94,134.84 589.57,135.83 2645.67,135.83 2543.31,141.73 766.73,142.72 1790.35,142.72 2141.73,148.62 1897.64,152.56 1981.3,152.56 1578.74,153.54 1504.92,158.46 2032.48,160.43 2600.39,160.43 47.24,173.23 1753.94,174.21 686.02,176.18 1137.8,178.15 1260.83,178.15 1812.99,178.15 1197.83,181.1 796.26,187.99 2639.76,188.98 -145.67,199.8 -347.44,201.77 879.92,201.77 594.49,206.69 1775.59,215.55 2588.58,217.52 -225.39,233.27 1897.64,242.13 2655.51,244.09 1967.52,246.06 -89.57,258.86 2054.13,269.69 1928.15,277.56 1890.75,288.39 2000.98,288.39 2656.5,290.35 2139.76,308.07 1781.5,323.82 2095.47,323.82 1888.78,329.72 2008.86,334.65 1964.57,335.63 2176.18,336.61 -332.68,339.57 1837.6,341.54 1802.17,347.44 -211.61,348.43 2065.94,360.24 45.28,361.22 2154.53,382.87 2470.47,389.76 2107.28,391.73 -51.18,398.62 2016.73,398.62 2452.76,428.15 -342.52,429.13 2714.57,429.13 1302.17,441.93 1249.02,443.9 2392.72,445.87 2633.86,448.82 2509.84,452.76 49.21,462.6 1975.39,462.6 -176.18,463.58 1222.44,463.58 2460.63,463.58 1272.64,465.55 1305.12,468.5 2234.25,472.44 2109.25,474.41 1872.05,477.36 1754.3,479.93 2603.35,498.03 2455.71,500 2704.72,502.95 2224.41,529.53 1757.87,532.48 1994.09,538.39 -66.93,549.21 2680.12,550.2 2622.05,562.99
GPIO12: R28.1 R33.2 SD1.7 U1.6 | length 2553.4
  Top Layer w7: SD1.7 174.21,413.39 267.72,413.39 304.79,376.31 304.79,309.66 270.34,275.21 270.34,-0.43 338.8,-68.89 338.8,-117.35 356.3,-134.84 U1.6 446.85,-134.84 471.46,-159.45 v1(487.2,-159.45) ; v1(513.78,-78.74) 681.1,-78.74 v1(978.35,218.5) ; v1(1783.46,443.9) 1784.45,444.88 R28.1@1890.75,444.88
  Bottom Layer w7: v1(487.2,-159.45) 513.78,-132.87 v1(513.78,-78.74) ; v1(978.35,218.5) 1031.82,271.98 1108.48,271.98 1165.57,329.07 1683.4,329.07 1783.46,429.13 v1(1783.46,443.9)
GPIO13: P1.19 P2.14 R32.2 SD1.3 U1.7 | length 2804.4
  Top Layer w7: SD1.3 253.94,232.28 253.94,-3.82 324.8,-74.69 324.8,-184.06 354.33,-213.58 U1.7 471.46,-213.58 502.95,-182.09 1121.56,-182.09 1128.14,-188.67 1128.63,-188.67 v1@1151.57,-211.61 ; v1(1680.12,-13.78) 2376.97,-13.78 2392.14,-28.95 P2.14
  Bottom Layer w7: v1(1151.57,-213.58) 1354.33,-10.83 1357.28,-13.78 v1(1680.12,-13.78)
GPIO16: R30.1 U1.4 | length 77.7
  Top Layer w7: R30.1 U1.4
NetC7_1: C7.1 P1.27 P2.22 | length 333
  Top Layer w7: C7.1 2382.65,-414.15 2382.65,-214.9 2411.07,-186.48 P2.22
NetC9_1: C9.1 P1.25 P2.20 | length 153.6
  Top Layer w7: C9.1@2347.44,-207.68 2347.44,-191.93 2392.26,-147.11 P2.20
NetC10_1: C10.1 P1.24 P2.19 | length 126.5
  Top Layer w7: C10.1 2367.73,-127.35 P2.19
NetC11_1: C11.1 P1.23 P2.18 | length 129.1
  Top Layer w7: C11.1 2396.15,-84.65 2419.27,-107.77 P1.23 2466.78,-107.77 P2.18
NetC13_1: C13.1 P1.10 P2.5 | length 308.4
  Top Layer w7: C13.1 2379.92,342.52 2397.64,324.8 2397.64,166.45 2415.89,148.2 P1.10 P2.5
NetC14_1: C14.1 P1.9 P2.4 | length 352.3
  Top Layer w7: C14.1 2389.76,402.56 2411.64,380.69 2411.64,175.96 2419.7,167.9 P1.9 P2.4
NetC15_1: C15.1 D4.1 D5.2 | length 282.5
  Top Layer w13: C15.1 2368.06,-552.17 D5.2 2435.04,-538.39 2476.58,-579.93 2546.26,-579.93 2557.06,-569.12 D4.1
NetC15_2: C15.2 D6.1 L2.2 Q2.3 | length 290.5
  Top Layer w15: C15.2 2298.23,-476.4 2303.15,-471.48
  Top Layer w30: Q2.3 L2.2@2234.25,-479.33 ; L2.2 2234.25,-503.95 L2.2@2234.25,-479.33 ; D6.1 2303.15,-471.48 2242.1,-471.48 L2.2@2234.25,-479.33
NetC18_1: C18.1 P1.29 P2.24 | length 401.1
  Top Layer w7: P2.24 2419.79,-225.88 2411.42,-234.25 2411.42,-380.91 2462.6,-432.09 2509.84,-432.09 2553.15,-475.39 C18.1
NetCN1_1: CN1.1 CN1.4 RL1.2 | length 768.3
  Top Layer w7: CN1.1 CN1.4@-277.55,-267.72 ; CN1.4 CN1.4@-277.55,-267.72 ; RL1.2 126.97,-316.93 97.44,-346.46 -86.61,-346.46 -165.35,-267.72 CN1.4@-277.55,-267.72
NetK1_3: K1.3 R10.2 | length 81.4
  Top Layer w7: K1.3@1687.99,505.91 1687.99,453.74 1696.85,444.88 R10.2@1713.58,444.88
NetK2_3: K2.3 R28.2 | length 61.3
  Top Layer w7: K2.3@1923.56,505.91 1923.56,445.54 R28.2@1924.21,444.88
NetLED1_A: LED1.A R15.1 | length 83.8
  Top Layer w7: R15.1 1757.87,-521.65 1763.78,-527.56 LED1.A
NetLED1_K: LED1.K U3.1 | length 138.4
  Top Layer w7: U3.1 1670.28,-510.83 1685.04,-496.06 1736.57,-496.06 LED1.K
NetP1_13: P1.13 P2.8 R14.1 | length 293.5
  Top Layer w7: R14.1 2369.09,284.45 2381.89,271.65 2381.89,159.56 2416.09,125.36 2416.09,98.58 2425.52,89.15 P1.13 P2.8
NetQ1_2: Q1.2 R3.2 | length 152
  Top Layer w7: Q1.2 1569.88,457.68 1582.68,444.88 R3.2@1628.94,444.88
NetQ3_2: Q3.2 R4.2 | length 112.8
  Top Layer w7: R4.2 1442.91,373.03 1458.66,388.78 Q3.2
NetQ7_B: Q7.B R24.1 | length 57.9
  Top Layer w7: Q7.B 774.61,-511.84 R24.1
NetQ7_C: Q7.C R26.1 | length 100.1
  Top Layer w10: R26.1 680.12,-427.17 691.22,-438.27 Q7.C
NetQ8_B: Q8.B R23.1 R35.2 | length 197.8
  Top Layer w7: R35.2 426.18,-429.13 452.76,-455.71 452.76,-483.27 ; R23.1@448.82,-520.67 R23.1 452.76,-483.27 ; Q8.B 452.95,-483.07 452.76,-483.27
NetQ8_C: Q8.C R24.2 R25.1 | length 334.3
  Top Layer w7: Q8.C@590.55,-523.62 741.14,-523.62 ; R24.2 741.14,-523.62 ; R25.1 756.89,-466.54 741.14,-482.28 741.14,-523.62
NetQ9_B: Q9.B R22.2 R31.2 | length 198.3
  Top Layer w7: R22.2 187.99,-562.99 223.43,-527.56 R31.2 292.32,-527.56 308.78,-511.1 Q9.B
NetQ9_C: Q9.C R35.1 | length 102.1
  Top Layer w10: R35.1 363.19,-461.61 388.78,-487.2 Q9.C
NetQ10_D: Q10.D U2.1 | length 136.6
  Top Layer w15: Q10.D 1244.8,-60.04 1277.56,-60.04 1284.65,-52.95 U2.1
NetR16_2: R16.2 USB1.1 | length 436.2
  Top Layer w19.68: R16.2 1138.78,430.12 1209.65,500.98 1322.83,500.98 1345.57,478.25 USB1.1
NetR21_2: R21.2 U3.5 | length 97.2
  Top Layer w10: R21.2 1518.7,-554.13 1532.48,-540.35 U3.5
PREVGH: C8.1 D6.2 P1.26 P2.21 | length 264.8
  Top Layer w7: C8.1 2349.41,-241.14 2359.58,-230.97 2363.6,-230.97 2368.65,-225.92 2368.65,-209.1 2410.94,-166.81 P2.21
  Top Layer w15: D6.2 2349.41,-332.65 C8.1
PREVGL: C17.1 D5.1 P1.28 P2.23 | length 462.7
  Top Layer w7: P2.23 2411.17,-206.19 2396.65,-220.7 2396.65,-385.94 2456.8,-446.09 2494.31,-446.09 2503.94,-455.71 C17.1 2509.84,-479.33 D5.1
RESE: P1.8 P2.3 Q2.2 R11.1 | length 1000.9
  Top Layer w7: P2.3 2513.2,187.59 2521.65,179.13 v1(2529.53,179.13)
  Top Layer w15: R11.1 2159.25,-309.25 Q2.2 2224.61,-309.25 2236.22,-320.87 v1(2236.22,-347.44)
  Bottom Layer w10: v1(2236.22,-347.44) 2444.88,-347.44 2485.65,-306.67 2485.65,169.7 2495.08,179.13 v1(2529.53,179.13)
RST: K4.3 Q1.3 R2.2 R30.2 U1.1 | length 2697.8
  Top Layer w7: R2.2 355.97,366.47 355.97,287.65 U1.1@384.77,258.86 ; R30.2 300.2,82.68 300.2,239.17 319.88,258.86 U1.1@384.77,258.86 ; v1(1101.05,369.09) 1101.05,335.3 1074.04,308.29 973.65,308.29 924.21,258.86 U1.1 U1.1@384.77,258.86 ; Q1.3 v1(1532.48,495.08) ; v1(2347.44,505.91) K4.3@2394.68,505.91
  Bottom Layer w7: v1(1101.05,369.09) 1466.54,369.09 1532.48,435.04 v1(1532.48,495.08) 1593.96,495.08 1604.79,505.91 v1(2347.44,505.91)
RTS: Q1.1 R4.1 U2.14 | length 360.7
  Top Layer w7: U2.14 1384.65,278.35 1409.45,303.15 R4.1 1409.45,375.98 1495.08,461.61 Q1.1
RX: RL1.1 U1.15 U2.2 | length 1500.2
  Top Layer w7: 208.66,-216.54 314.96,-216.54 347.44,-249.02 478.35,-249.02 516.73,-210.63 v1(567.91,-210.63) ; v1(568.9,-125.98) 568.9,-115.6 591.76,-92.74 686.9,-92.74 959.76,180.12 U1.15 1053.15,180.12 1093.2,140.06 1279.23,140.06 1334.65,84.65 U2.2
  Bottom Layer w7: v1(567.91,-210.63) 567.91,-126.97 v1(568.9,-125.98)
TX: U1.16 U2.3 | length 536.2
  Top Layer w7: U1.16 1055.12,258.86 1084.32,229.66 1084.32,175.52 1105.32,154.53 1290.35,154.53 1321.6,123.28 1335.38,123.28 1384.65,74.02 U2.3
VCC: C3.2 C20.2 C27.2 SW1.2 U6.2 | length 455.5
  Top Layer w25: C27.2@1247.05,-312.01 1247.05,-366.14 1294.29,-413.38 SW1.2 ; C27.2 1266.44,-292.32 C3.2 C20.2 1411.42,-176.18 1400.59,-165.35 U6.2@1428.15,-165.35
VCC_BAT1: BAT.2 C24.1 Q7.E R25.2 SW1.1 U3.3 | length 1426.8
  Top Layer w25: Q7.E 932.69,-433.46 ; BAT.2 920.28,-445.87 932.69,-433.46 ; SW1.1 1170.28,-430.12 936.02,-430.12 932.69,-433.46 ; U3.3 1648.62,-430.12 C24.1 v1(1702.76,-398.62)
  Bottom Layer w25: BAT.2 1000,-439.96 1437.01,-439.96 1478.35,-398.62 v1(1702.76,-398.62)
pads on no net: CN1. CN1.5 CN1.6 K1. K1.1 K1.2 K2. K2.1 K2.2 K3. K3.1 K3.2 K4. K4.1 K4.2 P1.1 P1.2 P1.3 P1.4 P1.5 P1.6 P1.11 P1.12 P1.30 P1.31 P1.32 P1.33 P1.34 P1.35 P1.36 P2.1 P2.6 P2.7 P2.25 P2.26 SD1.0 SD1.1 SD1.8 SD1.9 SD1.10 SW1. U1.17 U1.18 U1.19 U1.20 U1.21 U1.22 U2.7 U2.8 U2.9 U2.10 U2.11 U2.12 U2.15 USB1.0 USB1.4

## Polygon pours and split planes (outlines as drawn)
GND on Bottom Layer "Top Layer-No Net" (solid, remove dead copper, pour order 0): -442.91,615.16 2699.8,615.16 2770.67,544.29 2778.54,536.42 2778.54,-225.39 2778.54,-556.1 2718.5,-616.14 2694.88,-639.76 -516.73,-639.76 -516.73,595.47 -487.2,625
GND on Top Layer "Top Layer-No Net" (solid, remove dead copper, pour order 4): -513.78,633.86 2718.5,633.86 2804.13,548.23 2812.99,539.37 2812.99,-557.09 2812.99,-560.04 2713.58,-659.45 2689.96,-683.07 -481.3,-683.07 -481.3,-674.21 -553.15,-602.36

## Keep-outs
Keep-Out Layer:
  lines w10: -472.44,-525.59 -472.44,519.69 cw(c-393.7,519.69) -393.7,598.43 2668.07,598.43 cw(c2668.07,519.69) 2746.81,519.69 ; -472.44,-519.69 ccw(c-393.7,-519.69) -393.7,-598.43 559.02,-598.43 2668.12,-598.43 ccw(c2668.12,-519.73) 2746.81,-519.73 2746.81,-347.28 2706.69,-347.28 ; 2706.69,-346.3 2706.69,346.56 2746.17,346.56 ; 2746.81,346.7 2746.81,525.59

## Other copper
Top Layer:
  rectangle net EPD_3V3: 1829.72,-134.84 1880.91,-87.6
  pour cut-out: 344.49,586.12 344.49,289.86 352.36,281.99 1104.33,281.99 1104.33,602.85 1103.35,603.84 352.36,602.85
  pour cut-out: 1393.7,-75.79 1494.09,-75.79 1496.06,-77.76 1496.06,-189.96 1463.26,-189.96 1457.68,-213.58 1439.63,-213.58 1360.24,-213.58 1360.24,-95.47 1373.03,-82.68
Bottom Layer:
  rectangle net EPD_3V3: 1829.72,-134.84 1880.91,-87.6
  pour cut-out: 344.49,586.12 344.49,289.86 352.36,281.99 1104.33,281.99 1104.33,602.85 1103.35,603.84 352.36,602.85

## Silkscreen, mask and mechanical layers (free items; w line width, h text height)
Top Overlay:
  drawing of 283 lines, arcs and shapes, not listed
  text "EMW3 FriendshipEnder" at 1834.65,-5.91 h47.24
  text "JLCJLCJLCJLC" at 2619.02,-25 h25 r90
  text "-" at 1079.72,-562.99 h100
  text "+" at 820.87,-564.96 h100
Bottom Overlay:
  lines w10: 190.94,-582.68 190.94,486.22 190.94,582.68 2568.9,582.68 2568.9,486.22 2568.9,-582.68 190.94,-582.68

## Text inside footprints (layer, text, board x,y; h text height)
U1: Top Overlay "ESP12F" at 644.47,-8.78 h25